# KiCad board RoRo80.kicad_pcb (continued)
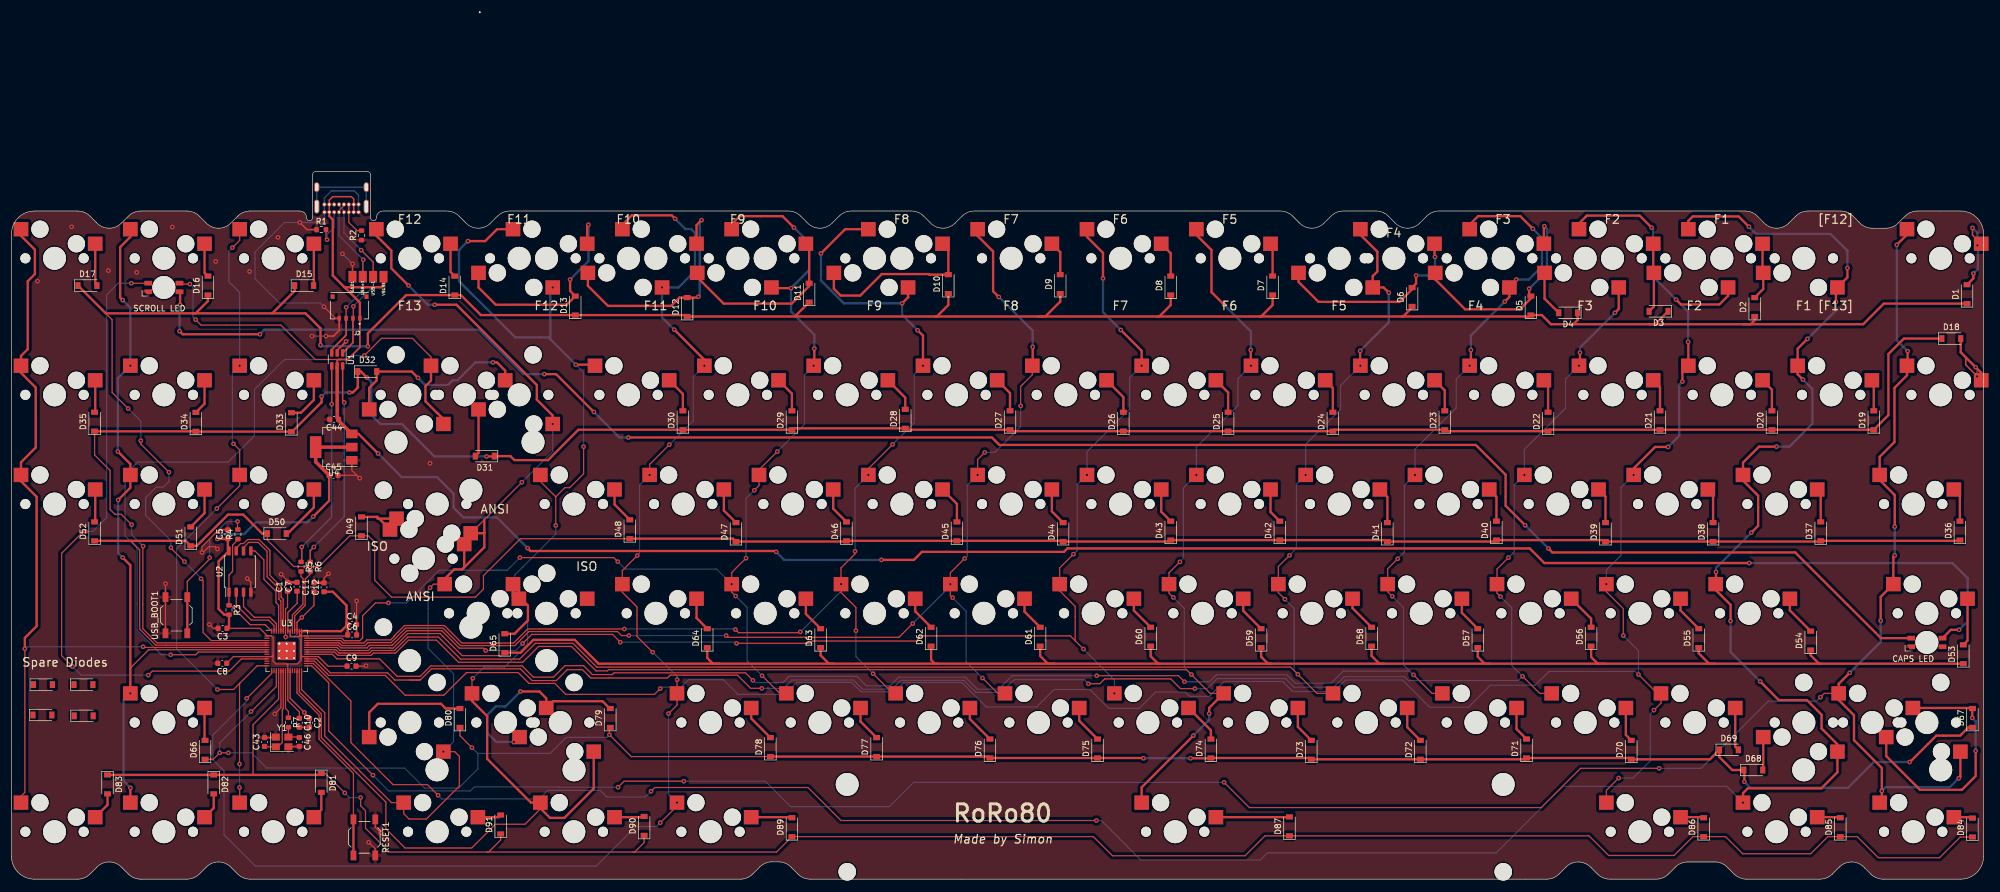
[diagram p0: board, top side]
## Routing (per net, layer and track width the routed paths; a pad name or vN(x,y) marks a point on that pad's centre or on a via; arc(x,y) is an arc through that point) (continued)
ROW1: length 415.2
  Top w0.2: D35.1 14.48,73.98 17.18,71.28 17.18,64.48 18.03,63.63 19.13,63.63 v1(20.93,61.83) ; U3.4 25.35,41.21 22.88,43.68 22.88,58.03 v1(22.93,58.08)
  Top w0.4: D18.1 329.73,94.28 327.03,91.58 327.03,80.93 D19.1 D20.1 D21.1 267.98,78.38 D22.1 249.98,78.13 D23.1 230.48,78.38 D24.1 D25.1 D26.1 174.23,78.13 D27.1 155.98,78.38 D28.1 136.23,78.63 D29.1 D30.1 98.78,78.38 93.48,73.08 87.63,73.08 86.93,73.78 D31.1 84.08,73.73 v1(82.78,73.73) ; v1(61.93,87.48) 60.88,88.53 D32.1 60.33,85.83 60.38,85.78 59.48,84.88 v1(58.88,84.88) ; D35.1 14.51,78.11 D34.1 32.18,78.06 D33.1 48.91,78.06 54.03,83.18 v1(54.03,84.18)
  Bottom w0.2: v1(22.93,58.08) 20.93,60.08 v1(20.93,61.83)
  Bottom w0.4: v1(82.78,73.73) 73.68,73.73 68.03,79.38 64.28,79.38 62.68,80.98 62.68,86.73 v1(61.93,87.48) ; v1(58.88,84.88) 54.73,84.88 v1(54.03,84.18)
ROW2: length 388.4
  Top w0.2: D48.1 88.68,59.38 82.23,52.93 82.23,50.58 80.83,49.18 66.23,49.18 63.28,52.13 63.28,58.78 62.18,59.88 D49.1 58.93,59.88 53.58,54.53 49.18,54.53 44.58,59.13 D50.1 ; 20.76,59.01 22.33,57.43 22.33,43.61 25.13,40.81 26.95,40.81 U3.5
  Top w0.4: D50.1 43.68,60.28 40.38,63.58 37.73,63.58 32.28,58.13 D51.1 30.36,59.01 D52.1 ; D48.1 125.73,59.38 D47.1 145.36,58.88 D46.1 D45.1 183.11,59.01 D44.1 201.73,58.88 D43.1 D42.1 239.48,59.13 D41.1 258.48,58.88 D40.1 277.48,59.13 D39.1 D38.1 315.11,58.88 D37.1 339.36,59.01 D36.1
ROW3: length 340.9
  Top w0.2: D65.1 85.43,38.98 78.53,38.98 74.68,42.83 69.03,42.83 66.48,40.28 66.03,40.28 65.98,40.33 62.63,40.33 62.18,39.88 57.23,39.88 56.7,40.41 U3.37
  Top w0.4: D53.1 315.24,37.58 ; 315.24,37.58 296.84,37.58 ; 315.24,37.58 314.94,37.58 313.48,39.03 D54.1 ; 161.47,37.58 160.89,37.58 160.23,38.23 D62.1 ; 161.47,37.58 143.19,37.58 ; 161.47,37.58 181.77,37.58 ; 239.12,37.58 219.57,37.58 ; 239.12,37.58 257.57,37.58 ; 239.12,37.58 238.34,37.58 236.98,38.93 D58.1 ; 219.57,37.58 218.94,37.58 217.73,38.78 D59.1 ; 219.57,37.58 200.07,37.58 ; 143.19,37.58 142.44,37.58 140.98,39.03 D63.1 ; 143.19,37.58 123.32,37.58 ; 181.77,37.58 180.59,37.58 179.23,38.93 D61.1 ; 181.77,37.58 200.07,37.58 ; D56.1 275.23,38.73 276.39,37.58 277.64,37.58 ; 123.32,37.58 102.29,37.58 98.13,41.73 90.93,41.73 88.7,39.5 D65.1 ; 123.32,37.58 122.22,37.58 121.23,38.57 D64.1 ; 296.84,37.58 295.79,37.58 293.98,39.38 D55.1 ; 296.84,37.58 277.64,37.58 ; D57.1 255.48,38.78 256.69,37.58 257.57,37.58 ; 277.64,37.58 257.57,37.58 ; 200.07,37.58 199.79,37.58 198.48,38.88 D60.1
ROW4: length 353.7
  Top w0.2: D79.1 104.18,26.31 v1(104.18,25.18) 107.98,21.38 D78.1 ; D66.1 35.16,20.91 v1(36.28,22.03) v1(37.78,22.03) ; D80.1 78.14,25.02 v1(80.23,22.93) ; U3.17 46.14,33.6 41.78,29.23 v1(41.73,29.23)
  Top w0.4: D67.1 340.96,26.46 339.53,25.03 335.38,25.03 330.78,20.43 v1(330.73,20.43) ; v1(197.23,21.08) 197.18,21.13 D75.1 D76.1 170.23,21.38 D77.1 D78.1 ; v1(205.43,21.08) 208.93,21.08 D74.1 226.26,21.13 D73.1 D72.1 263.76,20.91 D71.1 282.01,21.13 D70.1 295.93,20.91 D69.1 297.58,21.28 299.83,19.03 D68.1 301.93,18.93 v1(301.93,16.98)
  Bottom w0.2: v1(104.18,25.18) 103.73,24.73 96.63,24.73 93.83,21.93 81.28,21.93 ; 81.28,21.93 81.23,21.93 v1(80.23,22.93) ; 81.28,21.93 81.28,19.23 77.93,15.88 71.98,15.88 68.48,19.38 44.48,19.38 41.83,22.03 v1(37.78,22.03) ; v1(36.28,22.03) 36.28,23.78 v1(41.73,29.23)
  Bottom w0.4: v1(301.93,16.98) 302.98,15.93 319.98,15.93 324.48,20.43 v1(330.73,20.43) ; v1(197.23,21.08) v1(205.43,21.08)
ROW5: length 373.8
  Top w0.2: D90.1 110.23,6.38 108.58,4.73 108.28,4.73 ; D91.1 85.23,6.83 83.13,4.73 82.83,4.73 ; D81.1 54.68,18.43 v1(58.08,15.03) ; 108.28,4.73 133.3,4.73 D89.1 188.5,7.41 191.83,4.08 214.93,4.08 218.41,7.56 D87.1 274.86,7.56 278.28,4.13 289.68,4.13 292.96,7.41 D86.1 298.65,7.41 301.63,4.43 313.48,4.43 316.46,7.41 D85.1 321.6,7.41 325.28,3.73 335.93,3.73 339.55,7.35 D84.1 ; 108.28,4.73 82.83,4.73 ; v1(60.83,14.23) 60.83,12.78 61.68,11.93 61.68,8.88 65.83,4.73 82.83,4.73 ; 42.08,18.18 42.08,26.93 46.54,31.4 U3.18
  Top w0.4: D83.1 D82.1 53.73,18.18 D81.1
  Bottom w0.2: v1(58.08,15.03) 58.88,14.23 v1(60.83,14.23)
Net-(C46-Pad1): length 3.7
  Top w0.2: C46.1 50.07,24.78 Y1.3 R7.2
Net-(D1-A): length 15.3
  Top w0.25: MX1.1 341.68,112.34 v1(341.68,113.58)
  Top w0.4: D1.2 341.83,104.78 v1(341.83,105.63) ; MX1.1 342.82,110.82 v1(342.53,110.53)
  Bottom w0.4: v1(341.83,105.63) 342.63,106.43 342.63,110.43 v1(342.53,110.53) 342.53,112.73 v1(341.68,113.58)
Net-(D2-A): length 10.1
  Top w0.4: D2.2 305.22,102.92 MX2.1 305.1,105.86 MX2#2.1
Net-(D3-A): length 12.2
  Top w0.4: MX3#2.1 286.05,105.86 MX3.1 286.17,99.87 D3.2
Net-(D4-A): length 8
  Top w0.4: D4.2 267.12,101.25 MX4.1
Net-(D5-A): length 38
  Top w0.4: v1(267.08,113.88) 267,113.8 MX5.1 ; MX5#2.1 248.07,104.6 253.28,99.38 262.83,99.38 264.73,101.28 D5.2 264.43,101.98 v1(264.43,102.98)
  Bottom w0.4: v1(264.43,102.98) 267.53,106.08 267.53,113.43 v1(267.08,113.88)
Net-(D6-A): length 34.5
  Top w0.4: v1(248.03,108.53) 247.95,108.62 MX6.1 ; MX6#2.1 224.25,104.16 227.73,100.68 241.83,100.68 244.04,102.89 D6.2 244.73,103.88 v1(244.73,105.28)
  Bottom w0.4: v1(248.03,108.53) 248.03,106.53 246.78,105.28 v1(244.73,105.28)
Net-(D7-A): length 5.8
  Top w0.4: MX7.1 219.73,110.46 D7.2
Net-(D8-A): length 6.3
  Top w0.4: MX8.1 201.98,109.16 D8.2
Net-(D9-A): length 6
  Top w0.4: MX9.1 182.73,109.36 D9.2
Net-(D10-A): length 30.6
  Top w0.4: MX10.1 163.23,109.81 D10.2 159.93,105.43 159.83,105.53 151.63,105.53 147.88,101.78 144.48,101.78 143.29,102.98 MX10#2.1
Net-(D11-A): length 31.1
  Top w0.4: MX11.1 138.98,110.25 D11.2 138.98,103.43 135.93,100.38 124.08,100.38 119.48,104.99 MX11#2.1
Net-(D12-A): length 41.7
  Top w0.4: v1(120.23,114.93) 119.36,114.06 MX12.1 ; v1(119.68,101.58) 119.53,101.43 D12.2 116.38,101.43 114.93,99.98 103.93,99.98 100.43,103.49 MX12#2.1
  Bottom w0.4: v1(120.23,114.93) 119.93,114.63 119.93,101.83 v1(119.68,101.58)
Net-(D13-A): length 38.8
  Top w0.4: MX13.1 100.31,113.91 v1(100.53,114.13) ; v1(97.33,104.58) 97.33,102.58 D13.2 96.73,100.18 84.38,100.18 81.38,103.19 MX13#2.1
  Bottom w0.4: v1(100.53,114.13) 100.53,107.78 v1(97.33,104.58)
Net-(D14-A): length 6
  Top w0.4: D14.2 76.5,105.9 MX14.1
Net-(D15-A): length 7.3
  Top w0.4: MX15.1 52.69,103.59 D15.2
Net-(D16-A): length 5.9
  Top w0.4: D16.2 33.64,105.78 MX16.1
Net-(D17-A): length 7.4
  Top w0.4: MX17.1 14.59,103.83 D17.2
Net-(D18-A): length 15.6
  Top w0.25: v1(342.48,87.68) 342.48,87.73 340.51,89.71 340.51,91.01
  Top w0.4: v1(342.48,87.68) 343.16,87.01 MX18.1 343.2,88.32 v1(342.23,89.28) 339.63,91.88 D18.2
  Bottom w0.4: v1(342.23,89.28) 342.48,89.03 v1(342.48,87.68)
Net-(D19-A): length 5.5
  Top w0.4: MX19.1 324.48,86.68 D19.2
Net-(D20-A): length 6
  Top w0.4: D20.2 306.73,85.38 MX20.1
Net-(D21-A): length 5.8
  Top w0.4: MX21.1 287.23,85.83 D21.2
Net-(D22-A): length 5.9
  Top w0.4: D22.2 267.73,86.28 MX22.1
Net-(D23-A): length 6.1
  Top w0.4: MX23.1 249.73,85.23 D23.2
Net-(D24-A): length 6.1
  Top w0.4: D24.2 230.23,85.68 MX24.1
Net-(D25-A): length 6.5
  Top w0.4: MX25.1 211.98,84.88 D25.2
Net-(D26-A): length 6.8
  Top w0.4: MX26.1 193.73,84.08 D26.2
Net-(D27-A): length 6.3
  Top w0.4: MX27.1 173.98,84.78 D27.2
Net-(D28-A): length 6.3
  Top w0.4: MX28.1 155.73,83.98 D28.2
Net-(D29-A): length 6.3
  Top w0.4: D29.2 135.98,84.68 MX29.1
Net-(D30-A): length 6.3
  Top w0.4: D30.2 116.98,84.63 MX30.1
Net-(D31-A): length 8.4
  Top w0.4: D31.2 81.38,74.33 MX31.1
Net-(D32-A): length 34.4
  Top w0.4: v1(70.83,87.43) 69.73,88.53 D32.2 63.63,86.98 62.33,85.68 MX32.1 ; v1(83.88,90.13) 84.58,90.13 86.02,88.69 MX33.1
  Bottom w0.4: v1(70.83,87.43) 72.08,86.18 76.03,86.18 76.88,87.03 77.73,87.03 80.83,90.13 v1(83.88,90.13)
Net-(D33-A): length 8.3
  Top w0.4: D33.2 50.46,81.36 52.69,83.59 MX34.1
Net-(D34-A): length 6.2
  Top w0.4: MX35.1 33.64,82.92 D34.2
Net-(D35-A): length 5.6
  Top w0.4: D35.2 14.59,81.54 MX36.1
Net-(D36-A): length 6
  Top w0.4: D36.2 339.48,66.91 MX38.1
Net-(D37-A): length 5.9
  Top w0.4: D37.2 315.23,67.35 MX39.1
Net-(D38-A): length 6.2
  Top w0.4: D38.2 296.48,67.05 MX40.1
Net-(D39-A): length 6.3
  Top w0.4: MX41.1 277.73,66.75 D39.2
Net-(D40-A): length 6
  Top w0.4: MX42.1 258.73,66.7 D40.2
Net-(D41-A): length 6.3
  Top w0.4: D41.2 239.73,66.65 MX43.1
Net-(D42-A): length 6.2
  Top w0.4: D42.2 219.37,64.04 MX44.1
Net-(D43-A): length 6.2
  Top w0.4: MX45.1 200.32,64.09 D43.2
Net-(D44-A): length 6.6
  Top w0.4: D44.2 181.27,64.14 MX46.1
Net-(D45-A): length 6.7
  Top w0.4: MX47.1 164.73,65.45 D45.2
Net-(D46-A): length 6.6
  Top w0.4: MX48.1 143.17,64.62 D46.2
Net-(D47-A): length 6.6
  Top w0.4: D47.2 124.12,64.29 MX49.1
Net-(D48-A): length 6.4
  Top w0.4: MX50.1 105.07,65.34 D48.2
Net-(D49-A): length 11.9
  Top w0.4: D49.2 63.53,63.18 ; 63.53,63.18 63.74,63.18 MX56.2 65.95,61.74 MX51.1 63.84,62.88 63.53,63.18
Net-(D50-A): length 9.8
  Top w0.4: D50.2 48.13,60.28 52.69,64.84 MX52.1
Net-(D51-A): length 7.5
  Top w0.4: D51.2 33.64,63.84 MX53.1
Net-(D52-A): length 5.7
  Top w0.4: MX54.1 14.59,62.41 D52.2
Net-(D53-A): length 8.3
  Top w0.4: MX55.1 340.82,41.61 D53.2
Net-(D54-A): length 7.2
  Top w0.4: MX58.1 309.86,46.88 D54.2
Net-(D55-A): length 6.5
  Top w0.4: MX59.1 290.81,46.86 D55.2
Net-(D56-A): length 6.4
  Top w0.4: D56.2 275.23,45.44 MX60.1
Net-(D57-A): length 6.4
  Top w0.4: MX61.1 252.71,46.46 D57.2
Net-(D58-A): length 6.4
  Top w0.4: D58.2 233.66,47.26 MX62.1
Net-(D59-A): length 6.5
  Top w0.4: D59.2 214.61,46.81 MX63.1
Net-(D60-A): length 6.2
  Top w0.4: D60.2 195.56,46.86 MX64.1
Net-(D61-A): length 6.1
  Top w0.4: D61.2 176.51,46.66 MX65.1
Net-(D62-A): length 6.1
  Top w0.4: D62.2 157.46,46.71 MX66.1
Net-(D63-A): length 6.3
  Top w0.4: MX67.1 138.41,46.26 D63.2
Net-(D64-A): length 6
  Top w0.4: MX68.1 119.36,45.56 D64.2
Net-(D65-A): length 19
  Top w0.4: MX69.1 88.81,48.91 89.98,47.73 89.98,45.13 87.65,42.8 D65.2 ; MX69.1 87.38,49.93 MX37.2 87.38,49.29 88.09,48.59 ; MX69.1 88.4,50.12 86.98,51.54
Net-(D66-A): length 5.7
  Top w0.4: D66.2 33.64,24.3 MX70.1
Net-(D67-A): length 44.8
  Top w0.4: v1(342.23,22.38) 342.23,17.98 339.83,15.58 332.53,15.58 326.65,21.47 MX71.1 ; v1(341.63,28.13) 341.63,29.73 D67.2 341.57,29.86 MX72.1
  Bottom w0.4: v1(341.63,28.13) 342.23,27.53 v1(342.23,22.38)
Net-(D68-A): length 5.8
  Top w0.4: D68.2 305.22,19.12 MX73.1
Net-(D69-A): length 7.5
  Top w0.4: D69.2 300.34,23.1 MX74.1
Net-(D70-A): length 6
  Top w0.4: D70.2 281.29,25.15 MX75.1
Net-(D71-A): length 6.1
  Top w0.4: MX76.1 262.24,26.18 D71.2
Net-(D72-A): length 6.6
  Top w0.4: MX77.1 243.19,26.5 D72.2
Net-(D73-A): length 6.6
  Top w0.4: MX78.1 224.14,26.55 D73.2
Net-(D74-A): length 7
  Top w0.4: MX79.1 208.98,25.96 D74.2
Net-(D75-A): length 6.8
  Top w0.4: MX80.1 186.04,27.63 D75.2
Net-(D76-A): length 6.9
  Top w0.4: D76.2 166.99,27.93 MX81.1
Net-(D77-A): length 6.3
  Top w0.4: D77.2 147.94,27.48 MX82.1
Net-(D78-A): length 6.6
  Top w0.4: D78.2 128.89,28.03 MX83.1
Net-(D79-A): length 36.1
  Top w0.4: v1(87.53,23.93) 88.38,24.78 MX84.1 ; v1(88.68,32.73) 91.98,32.73 93.17,31.55 MX86.1 93.21,29.86 94.38,31.03 102.98,31.03 104.25,29.76 D79.2
  Bottom w0.4: v1(88.68,32.73) 86.08,30.13 84.38,30.13 82.88,28.63 82.88,25.53 84.48,23.93 v1(87.53,23.93)
Net-(D80-A): length 21.1
  Top w0.4: D80.2 75.65,29.76 74.83,30.58 63.83,30.58 62.33,29.08 MX85.1
Net-(D81-A): length 4.9
  Top w0.4: D81.2 53.98,12.11 MX87.1
Net-(D82-A): length 4.7
  Top w0.4: MX88.1 35.23,12.41 D82.2
Net-(D83-A): length 5
  Top w0.4: D83.2 16.73,12.96 MX89.1
Net-(D84-A): length 3.3
  Top w0.4: MX98.1 341.51,10.81 D84.2
Net-(D85-A): length 4.1
  Top w0.4: MX99.1 318.55,10.81 D85.2
Net-(D86-A): length 4.1
  Top w0.4: D86.2 294.74,10.81 MX100.1
Net-(D87-A): length 12.8
  Top w0.4: MX101.1 222.63,10.81 D87.2
Net-(D89-A): length 7.1
  Top w0.4: D89.2 135.89,10.81 MX102.1
Net-(D90-A): length 5.2
  Top w0.4: MX103.1 110.11,10.81 D90.2
Net-(D91-A): length 4.1
  Top w0.4: MX104.1 84.86,10.81 D91.2
Net-(J1-CC1): length 7.1
  Top w0.2: R1.2 54.81,111.71 v1(54.98,111.53)
  Bottom w0.2: v1(54.98,111.53) 54.98,112.43 56.23,113.68 J1.A5
Net-(J1-CC2): length 5.9
  Top w0.2: R2.2 60.21,113.11 58.78,114.54 J1.A8
  Top w0.25: J1.B5 J1.A8
Net-(LED1-DIN): length 334.7
  Top w0.4: v1(107.48,77.03) 170.83,77.03 172.13,75.73 255.13,75.73 260.33,70.53 260.33,65.13 v1(263.73,61.73) ; v1(29.38,100.13) 29.38,102.35 LED2.2 ; v1(43.28,95.03) 29.83,95.03 v1(29.28,95.58) ; LED1.3 325.73,42.04 310.78,56.98 268.48,56.98 v1(267.78,57.68) ; v1(92.83,88.08) 94.88,88.08 v1(101.48,81.48)
  Bottom w0.4: v1(92.83,88.08) 89.18,88.08 81.43,95.83 44.08,95.83 v1(43.28,95.03) ; v1(267.78,57.68) v1(263.73,61.73) ; v1(29.38,100.13) 29.28,100.03 v1(29.28,95.58) ; v1(101.48,81.48) 105.93,77.03 v1(107.48,77.03)
Net-(U3-USB_DM): length 11.5
  Top w0.2: R6.2 52.05,53.2 51.18,52.33 51.18,47.77 49.34,45.93 U3.46
Net-(U3-USB_DP): length 11.3
  Top w0.2: U3.47 48.94,46.1 50.78,47.93 50.78,52.43 50.45,52.77 R5.2
Net-(USB_BOOT1-B): length 25.6
  Top w0.2: USB_BOOT1.2 30.63,51.93 34.53,55.83 v1(34.53,56.08) ; R4.2 39.38,61.05 v1(39.38,62.38)
  Top w0.4: USB_BOOT1.2 USB_BOOT1.2
  Bottom w0.2: v1(39.38,62.38) 37.53,62.38 34.53,59.38 v1(34.53,56.08)
unconnected-(J1-SHIELD-PadS1): length 15.4
  Bottom w0.25: J1.S1 J1.S1 J1.S1 J1.S1

## Copper pours and planes (outline as drawn; the poured copper is in the pictures)
+3V3 on Top: 48.15,36.95 47.89,37.84 45.99,37.84 45.99,42.54 45.1,42.54 45.1,36.95
+3V3 on Top: 50.69,36.95 50.69,42.41 50.05,42.41 50.05,37.33 48.91,37.33 48.53,36.95
GND on Top: 348.02,120.19 359.13,-13.16 -13.93,-15.54 -16.31,134.48
GND on Bottom: 362.31,132.89 351.19,-6.81 -6.79,-7.6 -29.01,144.8

## Text on the board
B.Silkscreen: J1 | F12 | F13 | F11 | F10 | F9 | F8 | F7 | F6 | F5 | F4 | F3 | F2 | F1 | [F12] | [F13]
User.Drawings: MX52 | MX53
F.Silkscreen: SCROLL LED | CAPS LED | Spare Diodes | ISO | F12 | F13 | ANSI | F11 | F10 | F9 | F8 | F7 | F6 | F5 | F4 | F3 | F2 | F1 | [F12] | [F13] | Made by Simon | RoRo80
